# Altium PCB MB1166.PcbDoc (part 14 of 39)
Units mil, origin at the board's own origin, x right, y up, seen from the top; angles counter-clockwise.
Board outline 5000.99 x 2352.96 mil, 4 copper layers (TOP, L2_GND, L3_VCC, BOTTOM), stack 25.9 mil thick; 35 components, 24 nets, 166 pads, 143 vias.
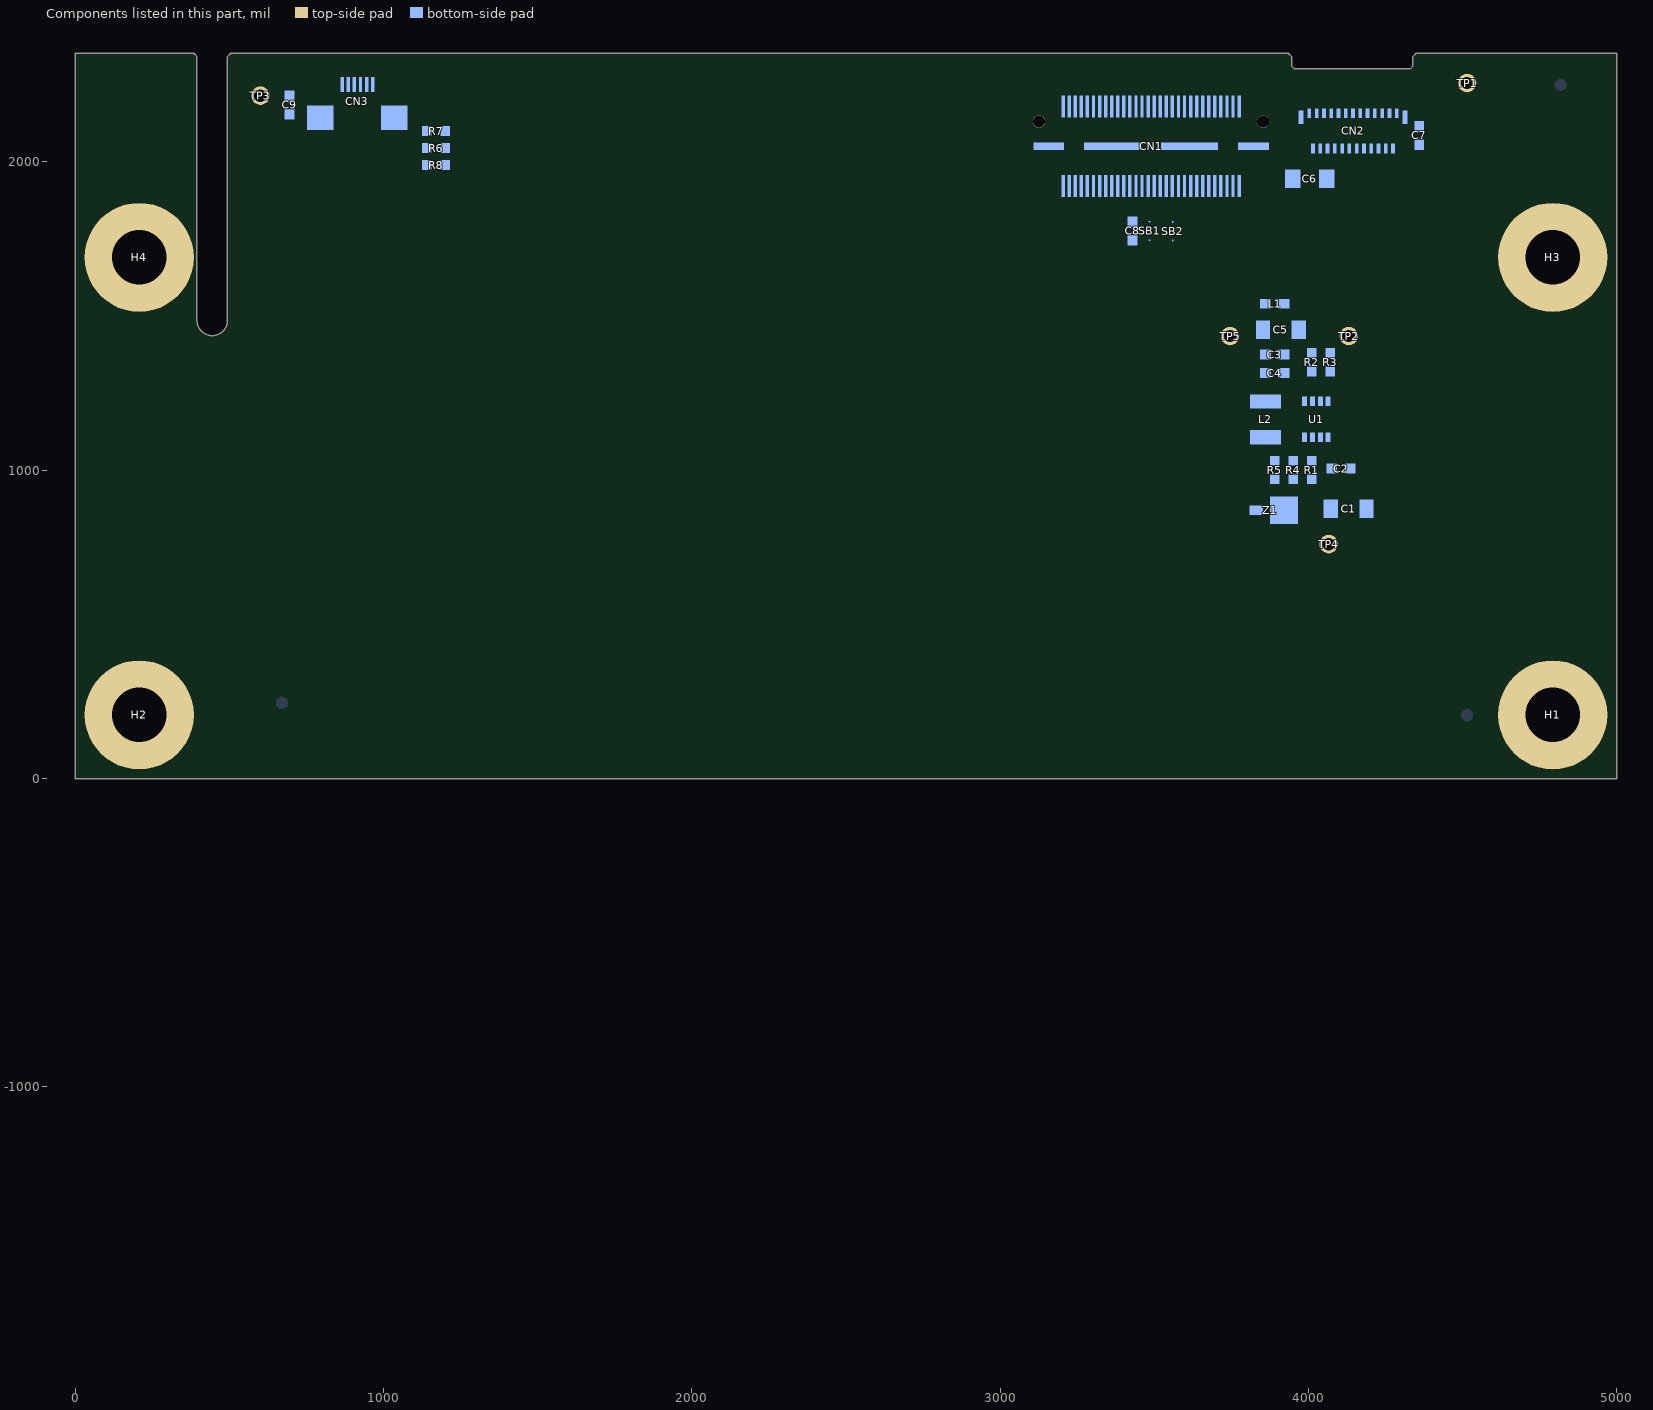
[diagram p16: the components of this part, seen from the top]

## Via types
v1: diameter 24, hole 12, TOP to BOTTOM, 143 vias

## Nets (pads, with @x,y where several pads share a name; then routed paths per layer and width w, separated by ;. In a path a pad name is that pad's centre, name@x,y a point inside that pad or via, vN(x,y) a via of type N, cw(c..) or ccw(c..) an arc to the next point about the centre after c; other vN are vias at no path point) (continued)
copper on no net: (continued)
  TOP w2: 1237.55,-1143.45 1274.26,-1106.74 1237.55,-1143.45 ; 1238.7,-1175.97 1262.64,-1152.03 1238.7,-1175.97 ; 1238.74,-1216.34 1262.14,-1192.94 1238.74,-1216.34 ; 1239.8,-1143.45 1276.5,-1106.74 1239.8,-1143.45 ; 1240.95,-1175.97 1264.89,-1152.03 1240.95,-1175.97 ; 1240.99,-1216.34 1261.51,-1195.82 1240.99,-1216.34 ; 1242.04,-1143.45 1278.75,-1106.74 1242.04,-1143.45 ; 1243.2,-1175.97 1267.14,-1152.03 1243.2,-1175.97 ; 1243.23,-1216.34 1260.88,-1198.7 1243.23,-1216.34 ; 1244.29,-1143.45 1280.99,-1106.74 1244.29,-1143.45 ; 1245.44,-1175.97 1269.38,-1152.03 1245.44,-1175.97 ; 1245.48,-1216.34 1260.25,-1201.57 1245.48,-1216.34 ; 1246.53,-1143.45 1283.24,-1106.74 1246.53,-1143.45 ; 1247.72,-1216.34 1259.61,-1204.45 1247.72,-1216.34 ; 1247.69,-1175.97 1271.63,-1152.03 1247.69,-1175.97 ; 1248.78,-1143.45 1285.48,-1106.74 1248.78,-1143.45 ; 1249.97,-1216.34 1258.98,-1207.33 1249.97,-1216.34 ; 1249.93,-1175.97 1273.87,-1152.03 1249.93,-1175.97 ; 1251.02,-1143.45 1287.73,-1106.74 1251.02,-1143.45 ; 1252.21,-1216.34 1258.35,-1210.2 1252.21,-1216.34 ; 1252.18,-1175.97 1276.12,-1152.03 1252.18,-1175.97 ; 1253.27,-1143.45 1289.97,-1106.74 1253.27,-1143.45 ; 1254.42,-1175.97 1278.36,-1152.03 1254.42,-1175.97 ; 1254.46,-1216.34 1257.72,-1213.08 1254.46,-1216.34 ; 1255.51,-1143.45 1292.22,-1106.74 1255.51,-1143.45 ; 1256.67,-1175.97 1280.61,-1152.03 1256.67,-1175.97 ; 1256.7,-1216.34 1257.09,-1215.96 1256.7,-1216.34 ; 1257.76,-1143.45 1294.46,-1106.74 1257.76,-1143.45 ; 1258.91,-1175.97 1282.85,-1152.03 1258.91,-1175.97 ; 1260,-1143.45 1276.57,-1126.88 1260,-1143.45 ; 1261.16,-1175.97 1285.1,-1152.03 1261.16,-1175.97 ; 1262.25,-1143.45 1275.92,-1129.77 1262.25,-1143.45 ; 1263.4,-1175.97 1287.34,-1152.03 1263.4,-1175.97 ; 1264.49,-1143.45 1275.27,-1132.67 1264.49,-1143.45 ; 1265.65,-1175.97 1289.59,-1152.03 1265.65,-1175.97 ; 1266.74,-1143.45 1274.62,-1135.56 1266.74,-1143.45 ; 1267.89,-1175.97 1291.83,-1152.03 1267.89,-1175.97 ; 1268.98,-1143.45 1273.98,-1138.45 1268.98,-1143.45 ; 1270.14,-1175.97 1294.08,-1152.03 1270.14,-1175.97 ; 1271,-1177.35 1296.32,-1152.03 1271,-1177.35 ; 1271.23,-1143.45 1273.33,-1141.34 1271.23,-1143.45 ; 1271.42,-1179.18 1298.57,-1152.03 1271.42,-1179.18 ; 1271.83,-1181.01 1300.81,-1152.03 1271.83,-1181.01 ; 1272.25,-1182.83 1303.06,-1152.03 1272.25,-1182.83 ; 1272.67,-1184.66 1305.3,-1152.03 1272.67,-1184.66 ; 1273.08,-1186.49 1307.55,-1152.03 1273.08,-1186.49 ; 1273.5,-1188.32 1309.79,-1152.03 1273.5,-1188.32 ; 1273.91,-1190.15 1313.21,-1150.86 1273.91,-1190.15 ; 1274.33,-1191.98 1346.4,-1119.91 1274.33,-1191.98 ; 1274.75,-1193.81 1347.08,-1121.48 1274.75,-1193.81 ; 1275.16,-1195.64 1347.69,-1123.11 1275.16,-1195.64 ; 1275.58,-1197.47 1348.25,-1124.79 1275.58,-1197.47 ; 1276,-1199.29 1348.75,-1126.54 1276,-1199.29 ; 1276.76,-1126.69 1296.71,-1106.74 1276.76,-1126.69 ; 1276.83,-1202.95 1349.45,-1130.33 1276.83,-1202.95 ; 1277.66,-1206.61 1349.46,-1134.81 1277.66,-1206.61 ; 1278.08,-1208.44 1349.48,-1137.04 1278.08,-1208.44 ; 1278.49,-1210.27 1349.5,-1139.26 1278.49,-1210.27 ; 1278.91,-1212.1 1349.45,-1141.55 1278.91,-1212.1 ; 1279.01,-1126.69 1298.95,-1106.74 1279.01,-1126.69 ; 1279.74,-1215.75 1323.93,-1171.56 1279.74,-1215.75 ; 1281.25,-1126.69 1301.2,-1106.74 1281.25,-1126.69 ; 1281.4,-1216.34 1324.31,-1173.43 1281.4,-1216.34 ; 1283.5,-1126.69 1303.44,-1106.74 1283.5,-1126.69 ; 1283.64,-1216.34 1324.68,-1175.3 1283.64,-1216.34 ; 1285.74,-1126.69 1305.69,-1106.74 1285.74,-1126.69 ; 1285.89,-1216.34 1325.06,-1177.17 1285.89,-1216.34 ; 1287.99,-1126.69 1307.93,-1106.74 1287.99,-1126.69 ; 1288.13,-1216.34 1325.44,-1179.04 1288.13,-1216.34 ; 1290.23,-1126.69 1310.18,-1106.74 1290.23,-1126.69 ; 1290.38,-1216.34 1325.82,-1180.91 1290.38,-1216.34 ; 1292.48,-1126.69 1312.42,-1106.74 1292.48,-1126.69 ; 1292.62,-1216.34 1326.19,-1182.77 1292.62,-1216.34 ; 1294.72,-1126.69 1314.67,-1106.74 1294.72,-1126.69 ; 1294.87,-1216.34 1326.57,-1184.64 1294.87,-1216.34 ; 1296.97,-1126.69 1316.91,-1106.74 1296.97,-1126.69 ; 1297.11,-1216.34 1326.95,-1186.51 1297.11,-1216.34 ; 1299.21,-1126.69 1319.16,-1106.74 1299.21,-1126.69 ; 1299.36,-1216.34 1327.32,-1188.38 1299.36,-1216.34 ; 1301.46,-1126.69 1321.4,-1106.74 1301.46,-1126.69 ; 1301.6,-1216.34 1327.7,-1190.25 1301.6,-1216.34 ; 1303.7,-1126.69 1323.65,-1106.74 1303.7,-1126.69 ; 1303.85,-1216.34 1328.08,-1192.11 1303.85,-1216.34 ; 1305.95,-1126.69 1325.89,-1106.74 1305.95,-1126.69 ; 1306.09,-1216.34 1328.45,-1193.98 1306.09,-1216.34 ; 1308.34,-1216.34 1328.83,-1195.85 1308.34,-1216.34 ; 1310.58,-1216.34 1329.21,-1197.72 1310.58,-1216.34 ; 1312.35,-1129.26 1333.21,-1108.4 1312.35,-1129.26 ; 1312.83,-1216.34 1329.59,-1199.59 1312.83,-1216.34 ; 1313.79,-1130.07 1334.78,-1109.08 1313.79,-1130.07 ; 1315.07,-1216.34 1329.96,-1201.45 1315.07,-1216.34 ; 1315.58,-1148.48 1345.67,-1118.39 1315.58,-1148.48 ; 1316.13,-1132.22 1337.75,-1110.6 1316.13,-1132.22 ; 1317.32,-1216.34 1330.34,-1203.32 1317.32,-1216.34 ; 1317.38,-1142.2 1343.93,-1115.64 1317.38,-1142.2 ; 1317.78,-1139.55 1342.88,-1114.45 1317.78,-1139.55 ; 1319.56,-1216.34 1330.72,-1205.19 1319.56,-1216.34 ; 1321.81,-1216.34 1331.09,-1207.06 1321.81,-1216.34 ; 1324.05,-1216.34 1331.47,-1208.93 1324.05,-1216.34 ; 1324.99,-1170.51 1348.78,-1146.72 1324.99,-1170.51 ; 1326.3,-1216.34 1331.85,-1210.79 1326.3,-1216.34 ; 1328.54,-1216.34 1332.22,-1212.66 1328.54,-1216.34 ; 1330.21,-1169.77 1346.8,-1153.18 1330.21,-1169.77 ; 1330.79,-1216.34 1332.6,-1214.53 1330.79,-1216.34 ; 1333.97,-1168.26 1344.86,-1157.37 1333.97,-1168.26